# Altium PCB 小车PCB.PcbDoc (part 1 of 4) (continued)
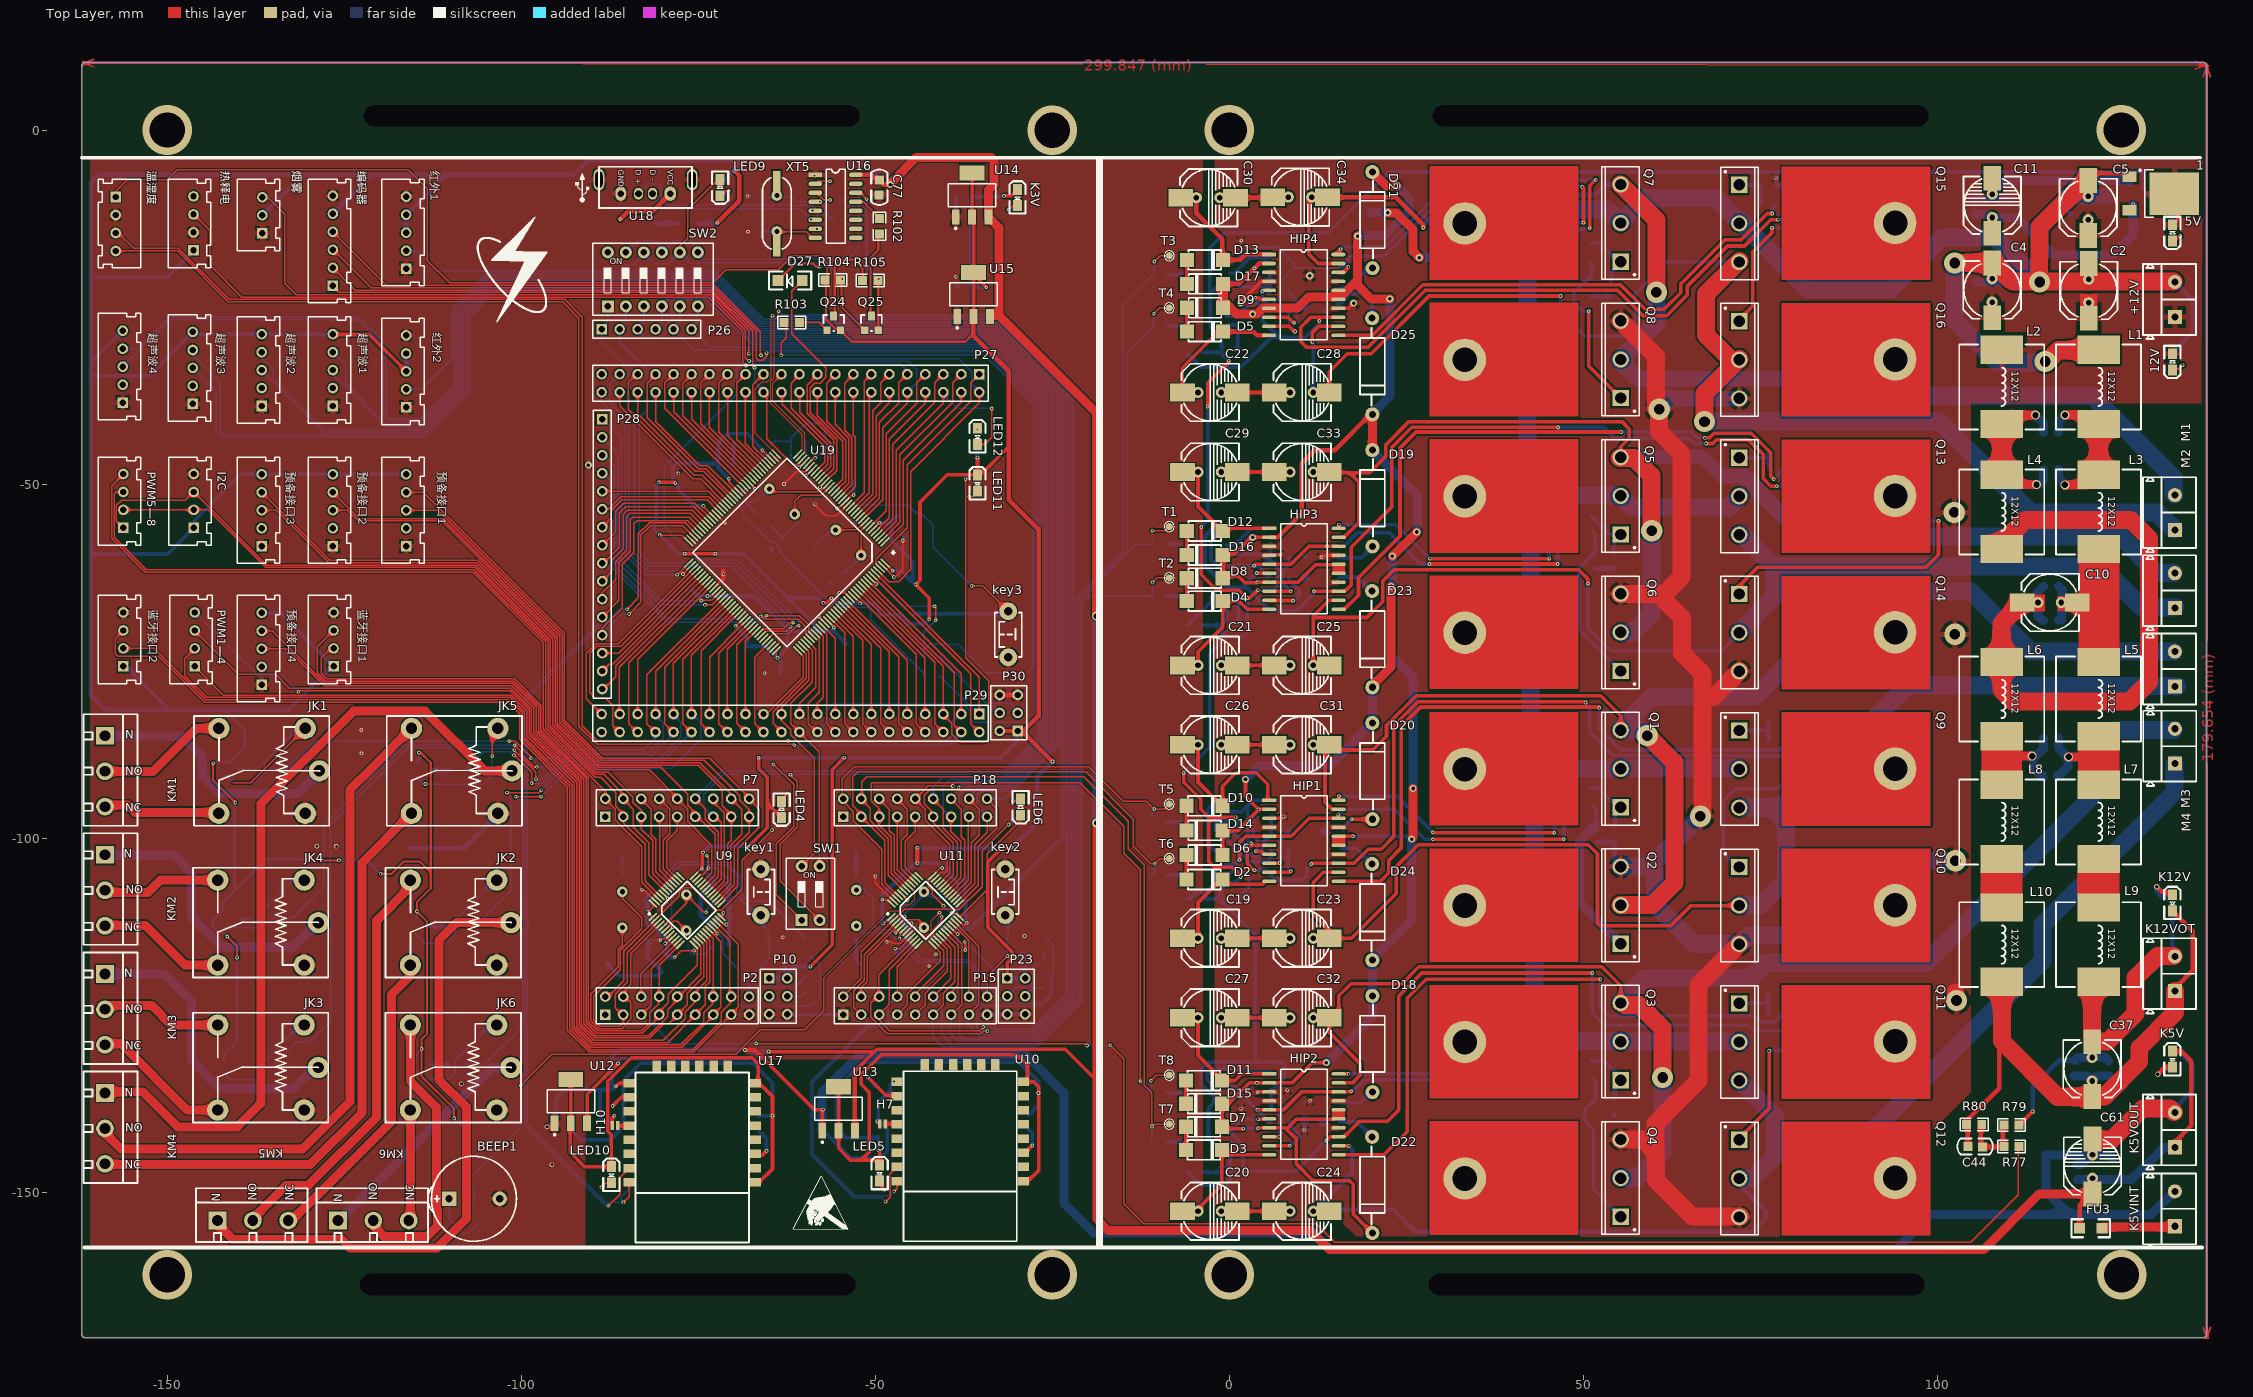
[diagram p0: Top Layer view]
## Components (designator, comment, footprint, x,y, rotation, side; value= is the part's Value field where it differs from the comment) (continued)
R73 "10R" 0805 83.007,-47.65 r180 bottom
R74 "10R" 0805 75.235,-10.465 r0 bottom
R75 "10R" 0805 82.017,-10.465 r180 bottom
R76 "500" 0805 -63.195,-94.869 r270 bottom
R77 "Res" 0805 109.372,-143.459 r0 top
R78 "10k" 0805 -64.77,-116.738 r0 bottom
R79 "" 0805 109.372,-140.462 r0 top
R80 "" 0805 104.098,-140.386 r0 top
R81 "1k" 0805 -28.524,-139.141 r270 bottom
R82 "10k" 0805 -59.715,-116.205 r90 bottom
R83 "10k" 0805 -59.715,-119.583 r270 bottom
R84 "1k" 0805 -49.606,-137.16 r90 bottom
R85 "4.7K" 0805 -48.971,-148.336 r0 bottom
R86 "500" 0805 -29.464,-94.412 r270 bottom
R87 "10k" 0805 -31.166,-116.484 r0 bottom
R88 "10k" 0805 -26.162,-115.799 r90 bottom
R89 "1K" 0805 -106.502,-147.345 r270 bottom
R90 "10k" 0805 -26.162,-119.075 r270 bottom
R91 "500R" 0805 -29.921,-8.56 r270 bottom
R92 "500R" 0805 133.172,-130.353 r270 bottom
R93 "1k" 0805 -135.585,-90.199 r180 bottom
R94 "1k" 0805 -108.458,-112.348 r180 bottom
R95 "1k" 0805 -135.484,-132.389 r180 bottom
R96 "1k" 0805 -135.661,-111.18 r180 bottom
R97 "1k" 0805 -108.229,-90.428 r180 bottom
R98 "1k" 0805 -108.356,-131.881 r180 bottom
R99 "4.7K" 0805 -71.882,-9.042 r90 bottom
R100 "300" 0805 -53.721,-9.779 r180 bottom
R101 "1k" 0805 -66.319,-139.37 r270 bottom
R102 "1K" 0805 -49.428,-12.421 r270 top
R103 "1K" 0805 -62.89,-27.127 r0 top
R104 "10K" 0805 -54.915,-21.107 r180 top
R105 "1K" 0805 -51.791,-21.158 r0 top
R106 "4.7K" 0805 -86.774,-148.52 r0 bottom
R107 "1k" 0805 -87.173,-135.484 r270 bottom
R108 "10k" 0805 -41.097,-74.244 r180 bottom
R109 "500" 0805 -35.585,-50.775 r90 bottom
R110 "10k" 0805 -43.002,-76.962 r0 bottom
R111 "10k" 0805 -44.602,-68.25 r180 bottom
R112 "10R" 0805 -64.795,-44.272 r270 bottom
R113 "1M" 0805 -66.331,-54.293 r315 bottom
R114 "500" 0805 -35.56,-42.316 r270 bottom
SW1 "CSW-2P" "CSW DIP-2P" -59.131,-107.696 r0 top
SW2 "CSW-6P" "CSW DIP-6P" -81.407,-21.006 r0 top
T1 "1 测试点" SIP1-1*1 -8.484,-55.931 r0 top
T2 "1 测试点" SIP1-1*1 -8.484,-63.17 r0 top
T3 "1 测试点" SIP1-1*1 -8.484,-17.678 r0 top
T4 "1 测试点" SIP1-1*1 -8.484,-25.044 r0 top
T5 "1 测试点" SIP1-1*1 -8.484,-95.123 r0 top
T6 "1 测试点" SIP1-1*1 -8.484,-102.819 r0 top
T7 "1 测试点" SIP1-1*1 -8.484,-140.31 r0 top
T8 "1 测试点" SIP1-1*1 -8.484,-133.401 r0 top
U1 "6N137" SOP-8 -3.454,-104.318 r90 bottom
U2 "6N137" SOP-8 -3.327,-96.825 r90 bottom
U3 "6N137" SOP-8 -3.454,-135.382 r90 bottom
U4 "6N137" SOP-8 -3.454,-142.113 r90 bottom
U5 "6N137" SOP-8 -3.302,-57.912 r90 bottom
U6 "6N137" SOP-8 -3.302,-65.151 r90 bottom
U7 "6N137" SOP-8 -3.302,-19.558 r90 bottom
U8 "6N137" SOP-8 -3.302,-26.848 r90 bottom
U9 "STM32F103C8" TQFP48 -76.606,-110.134 r45 top
U10 "ESP-12F" ESP-12F -30.021,-132.842 r180 top
U11 "STM32F103C8" TQFP48 -42.926,-110.134 r45 top
U12 "LM1117" SOT-223 -92.994,-137.093 r0 top
U13 "LM1117" SOT-223 -55.173,-138.135 r0 top
U14 "LM1117" SOT-223 -36.327,-9.103 r0 top
U15 "LM1117" SOT-223 -36.115,-23.149 r0 top
U16 "CH340G" SOP-16 -55.601,-10.693 r270 top
U17 "ESP-12F" ESP-12F -67.842,-133.02 r180 top
U18 "USB A" "USB A 母-立式" -82.465,-7.969 r180 top
U19 "STM32F103ZET6" TQFP144 -61.468,-61.62 r225 top
XT1 "32.768K" XTAL-T -85.75,-110.058 r270 bottom
XT2 "8MHZ" XTAL-T -76.657,-110.414 r90 bottom
XT3 "32.768K" XTAL-T -43.155,-110.058 r270 bottom
XT4 "8MHZ" XTAL-T -52.654,-109.753 r90 bottom
XT5 "12MHZ" XTAL-T -63.881,-11.735 r270 top
XT6 "32.768KHZ" XTAL-T -53.797,-58.166 r135 bottom
XT7 "8MHZ" XTAL-T -63.17,-52.426 r315 bottom
? "Comment" ICO1 -57.836,-152.324 r0 top
? "Comment" LOGO_Thunder -106.197,-12.065 r0 top
? "Comment" USB_LOGO -91.338,-8.255 r0 top

## Footprints (in the part's own frame and the unit in brackets; to place one, negate y for a bottom-side part, rotate by r counter-clockwise, add the part's x,y. Pads: shape width x height; smd on the part's side, far side on the other; paste and mask are expansions set on the pad)
2P [mil]
  rect 20x50 smd: 1(-15,1) 2(15,1)
5V蜂鸣器 [mil]
  rect 80x80 hole 40: 1(-138,0)
  round 80 hole 40: 2(143.59,0)
  silkscreen extent -256,-236 236,236, body extent -232,-236 240,237, height 339
12*12电感 [mm]
  rect 4x6 smd: 1(0.762,6) 2(11.238,5.994)
  silkscreen extent 0,0 12,12, body extent -0.36,-0.36 12.34,12.34, height 8.5
0805 [mil]
  rect 50x50 smd: 1(0,0) 2(85,0)
  silkscreen extent -35,-35 120,35, body extent 3,-25 81,25, height 22
0805C [mil]
  rect 50x50 smd: 1(0,-5) 2(82,-7)
  silkscreen extent -59,-50 139,40, body extent 2,-30 80,17, height 47
0805D [mil]
  rect 60x50 smd: 1(-45,0) 2(45,0)
  silkscreen extent -90,-45 90,45, body extent -43,-25 37,24, height 43
1206 [mil]
  rect 60x60 smd: 1(5,0) 2(130,0)
  silkscreen extent -40,-50 175,50
1206D [mil]
  rect 60x60 smd: 1(0,0) 2(135,0)
  silkscreen extent -50,-50 185,50
CD-8*8-2 [mil]
  rect 98.43x137.8 smd: 1(0,155) 2(0,-150)
  round 62 hole 31.5: 1(0,68) 2(0,-62)
  silkscreen extent -160,-160 160,160, body extent -163,-177 163,177, height 272
CD-8*8-无极性 [mil]
  rect 98.43x137.8 smd: 1(0,155) 2(0,-150)
  round 62 hole 31.5: 1(0,68) 2(0,-62)
  silkscreen extent -160,-160 160,160, body extent -157,-157 157,157, height 394
"CSW DIP-2P" [mm]
  rect 1.7x1.7 hole 0.9: 1(-1.27,-3.81)
  round 1.7 hole 0.9: 2(1.27,-3.81) 3(1.27,3.81) 4(-1.27,3.81)
  silkscreen extent -3.43,-5.08 3.43,4.95, body extent -3.32,-4.95 3.32,4.95, height 6.65
"CSW DIP-6P" [mm]
  rect 1.7x1.7 hole 0.9: 1(-6.35,-3.81)
  round 1.7 hole 0.9: 2(-3.81,-3.81) 3(-1.27,-3.81) 4(1.27,-3.81) 5(3.81,-3.81) 6(6.35,-3.81) 7(6.35,3.81) 8(3.81,3.81) 9(1.27,3.81) 10(-1.27,3.81) 11(-3.81,3.81) 12(-6.35,3.81)
  silkscreen extent -8.51,-5.08 8.51,5.08, body extent -8.4,-4.95 8.4,4.95, height 6.65
DO-15 [mm]
  round 2 hole 1: 1(1.676,0.076) 2(15.265,0.102)
  silkscreen extent 3.02,-1.65 14.05,1.85, body extent 1.24,-1.68 15.7,1.89, height 4.78
"DO-214-M7-  4007贴片" [mm]
  rect 2x2 smd: 1(2.413,0) 2(-2.667,0)
  silkscreen extent -2.41,-1.4 2.19,1.4, body extent -2.73,-1.33 2.47,1.27, height 2.53
ESP-12F [mm]
  rect 1.6x1.2 smd: 1(-0.9,15.5) 2(-0.9,13.5) 3(-0.9,11.5) 4(-0.9,9.5) 5(-0.9,7.5) 6(-0.9,5.5) 7(-0.9,3.5) 8(-0.9,1.5) 15(16.9,1.5) 16(16.9,3.5) 17(16.9,5.5) 18(16.9,7.5) 19(16.9,9.5) 20(16.9,11.5) 21(16.9,13.5) 22(16.9,15.5)
  rect 1.2x1.6 smd: 9(3,-0.9) 10(5,-0.9) 11(7,-0.9) 12(9,-0.9) 13(11,-0.9) 14(13,-0.9)
  silkscreen extent 0,0 16,24, body extent -1.4,-1.4 17.42,24.18, height 2.4
HDR1X6 [mm] "Connector; Header; 6 Po"
  rect 1.5x1.5 hole 0.9: 1(0,0)
  round 1.5 hole 0.9: 2(2.54,0) 3(5.08,0) 4(7.62,0) 5(10.16,0) 6(12.7,0)
  silkscreen extent -1.27,-1.27 13.97,1.27
HDR1X16 [mm] "Connector; Header; 16 Po"
  rect 1.5x1.5 hole 0.9: 1(0,0)
  round 1.5 hole 0.9: 2(2.54,0) 3(5.08,0) 4(7.62,0) 5(10.16,0) 6(12.7,0) 7(15.24,0) 8(17.78,0) 9(20.32,0) 10(22.86,0) 11(25.4,0) 12(27.94,0) 13(30.48,0) 14(33.02,0) 15(35.56,0) 16(38.1,0)
  silkscreen extent -1.27,-1.27 39.37,1.27
HDR2X3 [mm] "Connector; Header; 3x2 Po"
  rect 1.5x1.5 hole 0.9: 1(0,0)
  round 1.5 hole 0.9: 2(0,2.54) 3(2.54,0) 4(2.54,2.54) 5(5.08,0) 6(5.08,2.54)
  silkscreen extent -1.27,-1.27 6.35,3.81
HDR2X9 [mm] "Connector; Header; 9x2 Po"
  rect 1.5x1.5 hole 0.9: 1(0,0)
  round 1.5 hole 0.9: 2(0,2.54) 3(2.54,0) 4(2.54,2.54) 5(5.08,0) 6(5.08,2.54) 7(7.62,0) 8(7.62,2.54) 9(10.16,0) 10(10.16,2.54) 11(12.7,0) 12(12.7,2.54) 13(15.24,0) 14(15.24,2.54) 15(17.78,0) 16(17.78,2.54) 17(20.32,0) 18(20.32,2.54)
  silkscreen extent -1.27,-1.27 21.59,3.81
HDR2X22 [mm] "Connector; Header; 22x2 Po"
  rect 1.5x1.5 hole 0.9: 1(0,0)
  round 1.5 hole 0.9: 2(0,2.54) 3(2.54,0) 4(2.54,2.54) 5(5.08,0) 6(5.08,2.54) 7(7.62,0) 8(7.62,2.54) 9(10.16,0) 10(10.16,2.54) 11(12.7,0) 12(12.7,2.54) 13(15.24,0) 14(15.24,2.54) 15(17.78,0) 16(17.78,2.54) 17(20.32,0) 18(20.32,2.54) 19(22.86,0) 20(22.86,2.54) 21(25.4,0) 22(25.4,2.54) 23(27.94,0) 24(27.94,2.54) 25(30.48,0) 26(30.48,2.54) 27(33.02,0) 28(33.02,2.54) 29(35.56,0) 30(35.56,2.54) 31(38.1,0) 32(38.1,2.54) 33(40.64,0) 34(40.64,2.54) 35(43.18,0) 36(43.18,2.54) 37(45.72,0) 38(45.72,2.54) 39(48.26,0) 40(48.26,2.54) 41(50.8,0) 42(50.8,2.54) 43(53.34,0) 44(53.34,2.54)
  silkscreen extent -1.27,-1.27 54.61,3.81
ICO1 [mm]
  silkscreen extent -3.73,-2.84 3.96,4.65
KF301-3P [mm]
  rect 2.5x2.5 hole 1.5: 1(0,0)
  round 2.5 hole 1.5: 2(5,0) 3(10,0)
  silkscreen extent -3.05,-3.05 12.7,4.57, body extent -2.87,-3 12.63,4.6, height 10.05
KF301接线端子 [mm]
  rect 2x2 hole 1: 1(2.54,2.997)
  round 2 hole 1: 2(7.46,2.997)
  silkscreen extent -0.6,0 10.01,7.5, body extent -0.5,-0.08 10,7.62, height 10.51
LOGO_Thunder [mm]
  silkscreen extent 0,-14.94 9.91,-0.13
PZ_XH-2.54-3P [mm]
  rect 1.5x1.5 hole 0.9: 1(-2.54,0)
  round 1.5 hole 0.9: 2(0,0) 3(2.54,0)
  silkscreen extent -4.99,-2.45 5.06,3.55, body extent -5,-2.5 5,3.5, height 7.7
PZ_XH-2.54-4P [mm]
  rect 1.5x1.5 hole 0.9: 1(-2.54,0)
  round 1.5 hole 0.9: 2(0,0) 3(2.54,0) 4(5.08,0)
  silkscreen extent -5.02,-2.45 7.47,3.55, body extent -5.02,-2.45 7.5,3.55, height 7.7
PZ_XH-2.54-5P [mm]
  rect 1.5x1.5 hole 0.9: 1(0,0)
  round 1.5 hole 0.9: 2(2.54,0) 3(5.08,0) 4(7.607,0.006) 5(10.16,0)
  silkscreen extent -2.42,-2.55 12.6,3.45, body extent -2.44,-2.5 12.64,3.5, height 7.7
PZ_XH-2.54-6P [mm]
  rect 1.5x1.5 hole 0.9: 1(0,0)
  round 1.5 hole 0.9: 2(2.54,0) 3(5.08,0) 4(7.607,0.006) 5(10.16,0) 5(12.7,0)
  silkscreen extent -2.42,-2.55 15.01,3.45, body extent -2.41,-2.37 14.99,3.38, height 7.7
SIP1-1*1 [mm]
  round 1 smd: 1(0,0)
  silkscreen extent -0.7,-0.7 0.7,0.7
SOP-8 [mil]
  rect 24x76 smd: 1(-75,-112.5)
  oval 24x76 smd: 2(-25,-112.5) 3(25,-112.5) 4(75,-112.5) 5(75,112.5) 6(25,112.5) 7(-25,112.5) 8(-75,112.5)
  silkscreen extent -112,-118 105,53, body extent -95,-118 97,118, height 67
SOP-16 [mil]
  rect 24x76 smd: 1(-175,-112.5)
  oval 24x76 smd: 2(-125,-112.5) 3(-75,-112.5) 4(-25,-112.5) 5(25,-112.5) 6(75,-112.5) 7(125,-112.5) 8(175,-112.5) 9(175,112.5) 10(125,112.5) 11(75,112.5) 12(25,112.5) 13(-25,112.5) 14(-75,112.5) 15(-125,112.5) 16(-175,112.5)
  silkscreen extent -205,-52 205,53, body extent -197,-150 197,150, height 66
SOP-20.. [mm]
  rect 2x0.5 smd: 1(0,0)
  oval 2x0.5 smd: 2(0,-1.27) 3(0,-2.54) 4(0,-3.81) 5(0,-5.08) 6(0,-6.35) 7(0,-7.62) 8(0,-8.89) 9(0,-10.16) 10(0,-11.43) 11(9.8,-11.43) 12(9.8,-10.16) 13(9.8,-8.89) 14(9.8,-7.62) 15(9.8,-6.35) 16(9.8,-5.08) 17(9.8,-3.81) 18(9.8,-2.54) 19(9.8,-1.27) 20(9.8,0)
  silkscreen extent 1.58,-12.06 8.22,0.64, body extent -0.36,-12.22 10.27,0.78, height 2.66
SOT-23 [mil]
  rect 40x40 smd: 1(4.88,0.63) 2(79.88,0.63)
  rect 40x50 smd: 3(41.88,80.63)
  silkscreen extent -15,-4 100,86, body extent -15,-11 99,99, height 47
SOT-223 [mm]
  rect 1.1x2.15 smd: 1(-2.3,-3.1) 2(0,-3.1) 3(2.3,-3.1)
  rect 3.5x2.15 smd: 2(0,3.1)
  silkscreen extent -3.35,-4.85 3.35,1.63, body extent -3.23,-3.58 3.27,3.38, height 1.7
SRD-C_B [mm]
  round 3 hole 1.6: 1(0,0) 2(0,-12) 3(-2,-6) 4(12.2,0) 5(12.2,-12)
  silkscreen extent -3.4,-13.75 15.7,1.75, body extent -3.4,-13.75 15.7,1.75, height 15.6
"TO-247 - 贴" [mm] "SIP with Mounting Hole; 3 Leads; Body 20 x 15.6 x 5 mm (ty"
  rect 2.3x2.3 hole 1.6: 1(-5.45,0)
  round 2.3 hole 1.6: 2(0,0) 3(5.45,0)
  round 6 hole 3.5: 4(-0.051,22.022)
  Top Layer region: -8,6 8,6 8,27 -8,27
  Top Layer lines w0: 0,6.02 0,6
  Top Layer lines w0.127: 0.025,22.098 -0.051,22.022
  silkscreen extent -7.95,-2.6 7.95,2.7, body extent -8.08,-0.08 8.13,27.15, height 5.1
TO-252-2 [mm]
  rect 2x1.5 smd: 1(-3.764,2.407) 3(-3.759,-2.337)
  rect 7x6 smd: 2(2.55,0)
  silkscreen extent -2.41,-3.35 -0.35,3.43, body extent -4.11,-3.2 5.59,3.38, height 2.3
TQFP48 [mm]
  rect 1.6x0.3 smd: 1(-4.064,2.743) 2(-4.064,2.243) 3(-4.064,1.743) 4(-4.064,1.243) 5(-4.064,0.743) 6(-4.064,0.243) 7(-4.064,-0.257) 8(-4.064,-0.757) 9(-4.064,-1.257) 10(-4.064,-1.757) 11(-4.064,-2.257) 12(-4.064,-2.757) 25(4.136,-2.757) 26(4.136,-2.257) 27(4.136,-1.757) 28(4.136,-1.257) 29(4.136,-0.757) 30(4.136,-0.257) 31(4.136,0.243) 32(4.136,0.743) 33(4.136,1.243) 34(4.136,1.743) 35(4.136,2.243) 36(4.136,2.743)
  rect 0.3x1.6 smd: 13(-2.714,-4.107) 14(-2.214,-4.107) 15(-1.714,-4.107) 16(-1.214,-4.107) 17(-0.714,-4.107) 18(-0.214,-4.107) 19(0.286,-4.107) 20(0.786,-4.107) 21(1.286,-4.107) 22(1.786,-4.107) 23(2.286,-4.107) 24(2.786,-4.107) 37(2.786,4.093) 38(2.286,4.093) 39(1.786,4.093) 40(1.286,4.093) 41(0.786,4.093) 42(0.286,4.093) 43(-0.214,4.093) 44(-0.714,4.093) 45(-1.214,4.093) 46(-1.714,4.093) 47(-2.214,4.093) 48(-2.714,4.093)
  silkscreen extent -4.22,-2.91 2.94,3.53, body extent -4.48,-4.51 4.53,4.51, height 1.1
TQFP144 [mil]
  rect 70x10 smd: 1(-456.38,259.96)
  oval 70x10 smd: 2(-456.38,240.28) 3(-456.38,220.59) 4(-456.38,200.91) 5(-456.38,181.22) 6(-456.38,161.54) 7(-456.38,141.85) 8(-456.38,122.17) 9(-456.38,102.48) 10(-456.38,82.8) 11(-456.38,63.11) 12(-456.38,43.43) 13(-456.38,23.74) 14(-456.38,4.06) 15(-456.38,-15.63) 16(-456.38,-35.32) 17(-456.38,-55) 18(-456.38,-74.69) 19(-456.38,-94.37) 20(-456.38,-114.06) 21(-456.38,-133.74) 22(-456.38,-153.43) 23(-456.38,-173.11) 24(-456.38,-192.8) 25(-456.38,-212.48) 26(-456.38,-232.17) 27(-456.38,-251.85) 28(-456.38,-271.54) 29(-456.38,-291.22) 30(-456.38,-310.91) 31(-456.38,-330.59) 32(-456.38,-350.28) 33(-456.38,-369.96) 34(-456.38,-389.65) 35(-456.38,-409.33) 36(-456.38,-429.02) 73(398.27,-429.02) 74(398.27,-409.33) 75(398.27,-389.65) 76(398.27,-369.96) 77(398.27,-350.28) 78(398.27,-330.59) 79(398.27,-310.91) 80(398.27,-291.22) 81(398.27,-271.54) 82(398.27,-251.85) 83(398.27,-232.17) 84(398.27,-212.48) 85(398.27,-192.8) 86(398.27,-173.11) 87(398.27,-153.43) 88(398.27,-133.74) 89(398.27,-114.06) 90(398.27,-94.37) 91(398.27,-74.69) 92(398.27,-55) 93(398.27,-35.32) 94(398.27,-15.63) 95(398.27,4.06) 96(398.27,23.74) 97(398.27,43.43) 98(398.27,63.11) 99(398.27,82.8) 100(398.27,102.48) 101(398.27,122.17) 102(398.27,141.85) 103(398.27,161.54) 104(398.27,181.22) 105(398.27,200.91) 106(398.27,220.59) 107(398.27,240.28) 108(398.27,259.96)
  oval 10x70 smd: 37(-373.54,-511.85) 38(-353.86,-511.85) 39(-334.17,-511.85) 40(-314.49,-511.85) 41(-294.8,-511.85) 42(-275.12,-511.85) 43(-255.43,-511.85) 44(-235.75,-511.85) 45(-216.06,-511.85) 46(-196.38,-511.85) 47(-176.69,-511.85) 48(-157.01,-511.85) 49(-137.32,-511.85) 50(-117.64,-511.85) 51(-97.95,-511.85) 52(-78.27,-511.85) 53(-58.58,-511.85) 54(-38.9,-511.85) 55(-19.21,-511.85) 56(0.47,-511.85) 57(20.16,-511.85) 58(39.84,-511.85) 59(59.53,-511.85) 60(79.21,-511.85) 61(98.9,-511.85) 62(118.58,-511.85) 63(138.27,-511.85) 64(157.95,-511.85) 65(177.64,-511.85) 66(197.32,-511.85) 67(217.01,-511.85) 68(236.69,-511.85) 69(256.38,-511.85) 70(276.06,-511.85) 71(295.75,-511.85) 72(315.43,-511.85) 109(315.43,342.8) 110(295.75,342.8) 111(276.06,342.8) 112(256.38,342.8) 113(236.69,342.8) 114(217.01,342.8) 115(197.32,342.8) 116(177.64,342.8) 117(157.95,342.8) 118(138.27,342.8) 119(118.58,342.8) 120(98.9,342.8) 121(79.21,342.8) 122(59.53,342.8) 123(39.84,342.8) 124(20.16,342.8) 125(0.47,342.8) 126(-19.21,342.8) 127(-38.9,342.8) 128(-58.58,342.8) 129(-78.27,342.8) 130(-97.95,342.8) 131(-117.64,342.8) 132(-137.32,342.8) 133(-157.01,342.8) 134(-176.69,342.8) 135(-196.38,342.8) 136(-216.06,342.8) 137(-235.75,342.8) 138(-255.43,342.8) 139(-275.12,342.8) 140(-294.8,342.8) 141(-314.49,342.8) 142(-334.17,342.8) 143(-353.86,342.8) 144(-373.54,342.8)
  silkscreen extent -458,-455 341,345, body extent -463,-518 404,349, height 43
"USB A 母-立式" [mil]
  oval 65x80 hole 37: 1(-138.6,37.26)
  oval 50x65 hole 37: 2(-40,37.26) 3(38.5,37.26)
  oval 60x80 hole 37: 4(137,37.26)
  oval 59.06x118.11 hole 39.37 slot 90 at 90 deg: 5(-260,-40.74) 6(258,-40.74)
  silkscreen extent -260,-112 258,116, body extent -296,-136 297,140, height 610
USB_LOGO [mm]
  silkscreen extent -1.04,-1.7 0.84,2.14
XTAL-T [mil]
  rect 118.11x43.31 smd: 1(-179,-1) 2(178,-1)
  round 59.06 hole 28: 1(-101,-1) 2(99,-1)
  silkscreen extent -199,-81 197,79, body extent -224,-90 222,93, height 158
按键DIP-3*6*5 [mm]
  round 2.5 hole 1.2: 1(3.25,0) 2(-3.25,0)
  silkscreen extent -3.21,-1.9 3.09,1.9, body extent -3.91,-1.75 3.91,1.75, height 5.01

## Part data
C2 C4 C5 C10 C37: library part C
C11 C19 C20 C21 C22 C23 C24 C25 C26 C27 C28 C29 C30 C31 C32 C33 C34 C61: library part C+
JK1 JK2 JK3 JK4 JK5 JK6: library part SRD-05VDC-SL-C, "5V单路双控继电器"
JP1 JP2 JP3 JP4 JP5 JP6: library part "Header 3", "3P接插件"
P1 P8 P9 P11 P12: library part "Header 4H", "Header, 4-Pin, Right Angle"
P2 P7: library part "Header 9X2", "Header, 9-Pin, Dual row"
P3 P4 P5 P6 P13 P14 P16 P17 P20 P21: "Header, 5-Pin, Ri"
P10 P23 P30: "Header, 3-Pin, Dual row"
P15 P18: "Header, 9-Pin, Dual row"
P19: "Header, 4-Pin, Right Angle"
P22: "Header, 3-Pin, Ri"
P24: "Header, 6-Pin, Ri"
P26: "Header, 6-Pin"
P27 P29: "Header, 22-Pin, Dual row"
P28: "Header, 16-Pin"
SW1: "2路编码开关"
SW2: "6路编码开关"

## Free pads (board coordinates)
  rect 1.524x1.524 hole 3 slot 70 at 0 deg unplated: 3(-87.779,-162.96) 3(-87.227,2.076) 3(63.173,-162.96) 3(63.726,2.076)

## Via types
v1: diameter 0.508, hole 0.254, Top Layer to Bottom Layer, 302 vias
v2: diameter 1, hole 0.5, Top Layer to Bottom Layer, 18 vias
v3: diameter 3, hole 1.5, Top Layer to Bottom Layer, 14 vias
v4: diameter 7, hole 5, Top Layer to Bottom Layer, 8 vias
v5: diameter 1.27, hole 0.889, Top Layer to Bottom Layer, 6 vias
v6: diameter 0.635, hole 0.381, Top Layer to Bottom Layer, 5 vias
v7: diameter 0.762, hole 0.508, Top Layer to Bottom Layer, 2 vias
v8: diameter 1.27, hole 0.762, Top Layer to Bottom Layer, 2 vias
v9: diameter 1, hole 0.6, Top Layer to Bottom Layer, 1 vias

## Nets (pads, with @x,y where several pads share a name; then routed paths per layer and width w, separated by ;. In a path a pad name is that pad's centre, name@x,y a point inside that pad or via, vN(x,y) a via of type N, cw(c..) or ccw(c..) an arc to the next point about the centre after c; other vN are vias at no path point)
1BOOT0: R88.2 U11.44 | length 44.1
  Top Layer w0.203: U11.44@-45.999,-108.128 v1(-45.466,-108.661)
  Bottom Layer w0.203: v1(-45.466,-108.661) -45.466,-109.52 -46.33,-110.384 -46.33,-111.198 -45.212,-112.315 -45.212,-116.103 -43.866,-117.45 -37.033,-117.45 -35.484,-118.999 -35.484,-122.936 -34.798,-123.622 -26.518,-123.622 -24.968,-122.072 -24.968,-114.96 R88.2@-26.162,-113.767
1BOOT1: R90.1 U11.20 | length 25.2
  Top Layer w0.203: U11.20@-39.141,-112.878 -39.014,-112.878 -38.43,-113.462 v1(-38.379,-113.462)
  Bottom Layer w0.203: v1(-38.379,-113.462) -38.379,-114.986 -38.125,-115.24 -36.551,-115.24 -36.525,-115.265 ; -36.449,-115.291 -32.715,-119.024 -32.715,-122.288 -31.774,-123.229 -26.658,-123.229 -25.298,-121.869 -25.298,-118.948 R90.1@-26.162,-118.948
1ESPRXD: P15.8 U10.21 U11.12 | length 56
  Top Layer w0.203: v1(-48.539,-151.257) -47.904,-150.622 -47.904,-149.127 -47.95,-149.082 -47.95,-147.371 U10.21@-46.921,-146.342 ; P15.8@-46.914,-122.377 P15.8@-46.914,-122.301 -46.914,-118.059 U11.12@-44.272,-115.418
  Bottom Layer w0.203: v1(-48.539,-151.257) -49.073,-150.724 -53.01,-150.724 -59.131,-144.602 -59.131,-134.331 -51.048,-126.248 -48.6,-126.248 -48.184,-125.832 -48.184,-123.469 P15.8@-46.888,-122.174
1ESPTXD: P15.7 R85.2 U10.22 U11.13 | length 55.7
  Top Layer w0.203: v1(-47.346,-149.809) -46.921,-149.385 U10.22@-46.921,-148.342 ; P15.7@-46.914,-124.917 -45.466,-123.469 -45.466,-121.895 -40.792,-117.221 -40.792,-116.078 U11.13@-41.453,-115.418
  Bottom Layer w0.203: R85.2@-46.939,-148.336 -46.939,-149.403 v1(-47.346,-149.809) -47.981,-150.444 -48.885,-150.444 -48.936,-150.393 -52.873,-150.393 -58.801,-144.465 -58.801,-134.468 -50.911,-126.578 -48.463,-126.578 -47.854,-125.968 -47.854,-125.933 -46.888,-124.968 P15.7@-46.888,-124.917
1NRST: C58.1 key2.1 P15.18 R87.1 U11.7 | length 34.2
  Top Layer w0.203: U11.7@-45.199,-112.712 -45.618,-113.131 U11.7@-45.618,-113.19 -44.933,-112.504 -44.933,-112.497 ; U11.7@-45.187,-112.725 -44.882,-112.42 v1(-44.882,-111.963) ; P15.18@-34.214,-122.301 -34.214,-119.456 v1(-31.318,-116.561)
  Bottom Layer w0.203: v1(-44.882,-111.963) -44.882,-115.57 -44.094,-116.357 -43.332,-117.119 -36.896,-117.119 -34.382,-119.634 -34.382,-122.006 P15.18@-34.214,-122.174 ; key2.1@-31.725,-110.541 -31.217,-111.049 C58.1@-31.217,-113.767 ; R87.1@-31.293,-116.484 -31.293,-113.64 C58.1@-31.267,-113.614
1OSCIN: C53.2 U11.5 XT4.2 | length 14.3
  Top Layer w0.203: v1(-47.117,-113.284) -46.812,-112.979 U11.5@-46.812,-112.928
  Bottom Layer w0.203: XT4.2@-52.502,-106.528 -52.248,-106.528 -50.267,-108.509 -50.267,-112.236 -49.599,-112.903 -47.498,-112.903 v1(-47.117,-113.284)
  Bottom Layer w0.508: C53.2@-52.756,-101.829 -52.68,-101.905 XT4.2@-52.68,-105.232
1OSCOUT: C54.2 U11.6 XT4.1 | length 11.4
  Top Layer w0.203: v1(-46.558,-114.148) -46.558,-113.386 -46.431,-113.259 U11.6@-46.355,-113.259
  Bottom Layer w0.203: XT4.1@-52.68,-112.319 -51.74,-113.259 -48.089,-113.259 -47.2,-114.148 v1(-46.558,-114.148)
  Bottom Layer w0.508: XT4.1@-52.68,-114.3 -52.68,-117.297 C54.2@-52.349,-117.627
1PA0: P15.6 P20.2 U11.10 | length 231.6
  Top Layer w0.203: P15.6@-49.555,-122.072 -50.648,-123.165 -50.648,-125.222 -48.311,-127.559 -35.077,-127.559 -34.671,-127.152 v1(-34.163,-127.152) ; P15.6@-49.505,-122.326 -49.505,-119.202 U11.10@-44.933,-114.63
  Bottom Layer w0.203: P20.2@-116.332,-17.094 -114.579,-17.094 -111.887,-19.787 -72.593,-19.787 -65.735,-26.645 -32.582,-26.645 -22.733,-36.494 -22.733,-122.063 -27.924,-127.254 -34.061,-127.254 v1(-34.163,-127.152)
1PA1: P15.5 P21.2 U11.11 | length 238.3
  Top Layer w0.203: P15.5@-49.53,-125.044 -49.53,-125.527 -47.93,-127.127 -35.226,-127.127 -35.076,-126.976 ; P15.5@-49.505,-124.866 -48.057,-123.419 -48.057,-118.491 U11.11@-44.577,-115.011 ; -35.077,-126.975 -34.773,-126.67 v1(-34.773,-126.594)
  Bottom Layer w0.203: P21.2@-116.25,-36.551 -114.148,-36.551 -109.804,-32.207 -109.804,-25.121 -104.8,-20.117 -72.73,-20.117 -65.872,-26.975 -32.719,-26.975 -23.063,-36.631 -23.063,-121.926 -28.061,-126.924 -32.969,-126.924 -33.223,-126.67 -34.696,-126.67 v1(-34.773,-126.594)
1PA4: P15.10 P16.4 U11.14 | length 270.1
  Top Layer w0.152: U11.14@-41.588,-114.604 -41.588,-114.597 -42.109,-114.076 -42.109,-113.026 -42.113,-113.022 -42.113,-111.608 v1@-41.021,-110.515
  Top Layer w0.203: P15.10@-44.374,-122.301 -44.374,-121.996 -40.335,-117.958 -40.335,-115.849 U11.14@-41.072,-115.113
  Bottom Layer w0.127: v1(-40.928,-110.465) v1@-40.878,-110.414
  Bottom Layer w0.203: P16.4@-156.283,-30.81 -154.216,-30.81 -149.879,-26.473 ; -149.885,-26.467 -149.809,-26.391 -122.901,-26.391 -119.126,-30.165 -119.126,-40.071 -118.463,-40.735 -114.326,-40.735 -109.474,-35.882 -109.474,-25.306 -104.615,-20.447 -72.867,-20.447 -66.009,-27.305 -32.856,-27.305 -23.393,-36.767 -23.393,-99.781 -34.483,-110.871 -34.483,-110.912 -36.449,-112.878 -40.447,-112.878 -41.097,-112.227 -41.097,-110.668 v1@-40.919,-110.49
1PA5: P15.9 P16.3 U11.15 | length 270.3
  Top Layer w0.203: P15.9@-44.348,-124.866 -42.926,-123.444 -42.926,-121.793 -39.853,-118.72 -39.853,-115.621 U11.15@-40.767,-114.706 ; U11.15@-41.732,-113.792 -41.781,-113.743 -41.781,-112.85 -40.615,-111.684 v1(-40.615,-111.049)
  Bottom Layer w0.203: P16.3@-156.277,-33.337 -149.66,-26.721 -123.038,-26.721 -119.456,-30.302 -119.456,-40.208 -118.599,-41.065 -114.19,-41.065 -109.144,-36.019 -109.144,-25.443 -104.478,-20.777 -73.004,-20.777 -66.146,-27.635 -32.993,-27.635 -23.724,-36.904 -23.724,-99.644 -34.798,-110.719 -34.814,-110.719 -36.642,-112.547 -40.31,-112.547 -40.691,-112.166 v1@-40.691,-111.049
1PA6: P15.12 R8.1 T1.1 U11.16 | length 112.3
  Top Layer w0.203: P15.12@-41.834,-122.352 P15.12@-41.834,-122.301 -39.319,-119.786 -39.319,-115.443 U11.16@-40.589,-114.173 ; v1(-10.871,-56.49) -9.042,-56.49 T1.1@-8.484,-55.931
  Bottom Layer w0.203: P15.12@-41.783,-122.403 -40.64,-123.546 -40.64,-127.584 -39.268,-128.956 -27.239,-128.956 -21.082,-122.799 -21.082,-66.491 -14.402,-59.811 -14.402,-59.69 -13.157,-58.445 R8.1@-10.947,-58.445 ; R8.1@-10.871,-58.242 v1(-10.871,-56.49)
1PA7: P15.11 R9.1 T2.1 U11.17 | length 111.4
  Top Layer w0.203: P15.11@-41.834,-124.892 -40.386,-123.444 -40.386,-121.818 -38.76,-120.193 -38.76,-115.316 U11.17@-40.132,-113.944 ; v1(-10.846,-63.805) -10.211,-63.17 T2.1@-8.484,-63.17
  Bottom Layer w0.203: P15.11@-41.91,-124.993 -41.91,-128.016 -40.64,-129.286 -27.102,-129.286 -20.752,-122.936 -20.752,-66.628 -19.884,-65.761 R9.1@-10.947,-65.761 ; R9.1@-10.998,-65.938 -10.846,-65.786 v1(-10.846,-63.805)
1PA8: P18.14 U11.29 | length 15.1
  Top Layer w0.203: U11.29@-39.466,-107.745 -37.338,-105.617 -37.338,-100.228 -37.871,-99.695 -37.871,-95.809 P18.14@-39.319,-94.361
1PA9: P18.13 P26.4 SW2.4 U11.30 | length 146.4
  Top Layer w0.203: U11.30@-39.82,-107.391 -37.922,-105.494 -37.922,-100.355 -39.319,-98.958 P18.13@-39.319,-96.901
  Bottom Layer w0.203: P26.4@-81.026,-28.042 -81.026,-28.194 -80.137,-27.305 SW2.4@-80.137,-24.816 ; SW2.4@-80.01,-24.46 -78.638,-23.089 -74.082,-23.089 -67.224,-29.947 -33.95,-29.947 -26.035,-37.862 -26.035,-85.946 -31.348,-91.258 -31.348,-91.268 -31.672,-91.592 -39.395,-91.592 -40.411,-92.608 -40.411,-95.86 P18.13@-39.37,-96.901
1PA10: P18.12 P26.3 SW2.3 U11.31 | length 154.2
  Top Layer w0.203: P18.12@-41.859,-94.386 -40.411,-95.834 -40.411,-98.552 -38.43,-100.533 -38.43,-105.295 U11.31@-40.173,-107.038
  Bottom Layer w0.203: P26.3@-83.591,-28.042 -82.677,-27.127 SW2.3@-82.677,-24.816 ; P26.3@-83.566,-28.042 P26.3@-83.388,-28.219 ; P26.3@-83.515,-28.169 -82.423,-29.261 -80.239,-29.261 -79.578,-28.6 -79.578,-27.407 -78.715,-26.543 -78.715,-24.282 -78.156,-23.724 -73.914,-23.724 -67.361,-30.277 -34.087,-30.277 -26.365,-37.998 -26.365,-85.809 -31.678,-91.122 -31.678,-91.131 -31.809,-91.262 -40.462,-91.262 -41.859,-92.659 P18.12@-41.859,-94.209
1PA11: P14.4 P18.11 U11.32 | length 235.8
  Top Layer w0.203: P18.11@-41.961,-96.723 -42.139,-96.545 -42.139,-96.013 -43.078,-95.074 -43.078,-93.878 -42.24,-93.04 -38.456,-93.04 -38.227,-92.812 v1(-38.227,-92.761) ; P18.11@-41.834,-96.901 -41.834,-97.765 -38.989,-100.609 -38.989,-105.146 U11.32@-40.527,-106.684
  Bottom Layer w0.203: P14.4@-146.385,-30.988 -146.385,-31.644 -142.519,-35.509 -142.519,-42.367 -141.91,-42.977 -113.767,-42.977 -107.493,-36.703 -107.493,-26.127 -103.794,-22.428 -73.687,-22.428 -66.829,-29.286 -33.677,-29.286 -25.375,-37.588 -25.375,-86.219 -30.687,-91.532 -30.687,-91.542 -31.398,-92.253 -37.719,-92.253 v1(-38.227,-92.761)
1PA12: P14.3 P18.10 U11.33 | length 233.8
  Top Layer w0.203: P18.10@-44.374,-94.386 -42.926,-95.834 -42.926,-97.409 -39.446,-100.889 -39.446,-104.896 U11.33@-40.88,-106.331 ; P18.10@-44.094,-94.132 -42.52,-92.558 v1(-39.04,-92.558)
  Bottom Layer w0.203: P14.3@-146.379,-33.515 -143.078,-36.816 -143.078,-42.494 -142.265,-43.307 -113.589,-43.307 -107.163,-36.881 -107.163,-26.264 -103.657,-22.758 -73.824,-22.758 -66.966,-29.616 -33.813,-29.616 -25.705,-37.725 -25.705,-86.083 -31.017,-91.395 -31.017,-91.405 -31.535,-91.923 -38.735,-91.923 -39.04,-92.227 v1(-39.04,-92.558)
1PA15: P18.9 U11.38 | length 9.3
  Top Layer w0.203: U11.38@-44.679,-105.181 -45.771,-104.089 -45.771,-100.33 -44.374,-98.933 P18.9@-44.374,-96.926
1PB0: P15.14 R10.1 T3.1 U11.18 | length 145.7
  Top Layer w0.203: U11.18@-39.776,-113.589 -38.303,-115.062 -38.303,-120.726 -39.294,-121.717 P15.14@-39.294,-122.301 ; v1(-10.592,-18.491) -9.779,-17.678 T3.1@-8.484,-17.678
  Bottom Layer w0.203: P15.14@-39.141,-122.352 -38.1,-123.393 -38.1,-127.813 -37.617,-128.295 -27.512,-128.295 -21.742,-122.526 -21.742,-66.214 -21.666,-66.138 -21.662,-66.138 -15.062,-59.538 -15.062,-24.663 -10.592,-20.193 v1(-10.592,-18.491)
1PB1: P15.13 R11.1 T4.1 U11.19 | length 140.2
  Top Layer w0.203: U11.19@-39.421,-113.208 -37.821,-114.808 -37.821,-123.419 P15.13@-39.319,-124.917 ; v1(-10.693,-25.883) -9.855,-25.044 T4.1@-8.484,-25.044
  Bottom Layer w0.203: P15.13@-39.395,-124.968 -39.395,-127.508 -38.278,-128.626 -27.375,-128.626 -21.412,-122.662 -21.412,-66.355 -14.732,-59.674 -14.732,-59.547 -14.478,-59.293 -14.478,-31.521 -10.82,-27.864 R11.1@-10.82,-27.559 ; R11.1@-10.693,-27.559 v1(-10.693,-25.883)
1PB3: P18.8 U11.39 | length 12.7
  Top Layer w0.203: P18.8@-46.914,-94.386 -45.466,-95.834 -45.466,-99.39 -46.304,-100.228 -46.304,-104.267 U11.39@-44.983,-105.588
1PB4: P18.7 U11.40 | length 9.9
  Top Layer w0.203: P18.7@-46.914,-96.926 -46.914,-104.369 U11.40@-45.187,-106.096
1PB5: P18.6 R89.1 U11.41 | length 99.5
  Top Layer w0.127: -57.277,-119.609 -47.854,-110.185 -46.685,-110.185 -45.796,-109.296 -45.11,-109.296 -44.399,-108.585 -44.399,-107.467 U11.41@-44.856,-107.01
  Top Layer w0.203: v1(-100.051,-134.849) -95.656,-130.454 -69.723,-130.454 -66.243,-126.975 -59.944,-126.975 -57.277,-124.308 -57.277,-119.609 ; P18.6@-49.454,-94.386 -48.006,-95.834 -48.006,-98.857 -47.346,-99.517 -47.346,-104.673 U11.41@-45.771,-106.248
  Bottom Layer w0.203: R89.1@-106.502,-147.218 -100.051,-140.767 v1(-100.051,-134.849)
1PB6: P18.5 R6.1 T8.1 U11.42 | length 97.9
  Top Layer w0.203: -49.53,-95.656 -49.847,-95.34 -49.859,-95.34 -50.559,-94.64 -50.559,-92.215 -50.419,-92.075 -21.107,-92.075 -14.935,-98.247 -14.935,-102.057 -12.573,-104.419 v1(-12.573,-134.264) ; P18.5@-49.479,-96.698 -49.479,-95.72 ; P18.5@-49.454,-96.901 -49.454,-98.095 -47.752,-99.797 -47.752,-104.877 U11.42@-46.101,-106.528 ; v1(-11.074,-134.188) -10.287,-133.401 T8.1@-8.484,-133.401
  Bottom Layer w0.203: v1(-12.573,-134.264) R6.1@-10.947,-135.89 ; v1(-11.074,-134.188) -11.074,-135.56 R6.1@-10.947,-135.687
1PB7: P18.4 R7.1 T7.1 U11.43 | length 106.5
  Top Layer w0.203: P18.4@-51.994,-94.412 -50.724,-95.682 -50.724,-97.485 -48.184,-100.025 -48.184,-105.181 U11.43@-46.431,-106.934 ; P18.4@-51.892,-94.005 -51.892,-91.973 -51.181,-91.262 -20.574,-91.262 -14.275,-97.561 -14.275,-101.422 -11.989,-103.708 -11.989,-134.798 -10.922,-135.865 v1(-10.922,-140.64) -10.592,-140.31 T7.1@-8.484,-140.31
  Bottom Layer w0.203: R7.1@-10.998,-142.723 -10.922,-142.646 v1(-10.922,-140.64)
1PB8: P18.3 R4.1 T6.1 U11.45 | length 74
  Top Layer w0.203: P18.3@-51.994,-96.901 -48.641,-100.254 -48.641,-106.197 U11.45@-47.168,-107.671 ; P18.3@-51.689,-96.368 -52.146,-96.368 -53.162,-95.352 -53.162,-91.288 -52.451,-90.576 -20.193,-90.576 -13.538,-97.231 -13.538,-101.092 ; -13.564,-101.067 -13.538,-101.092 ; T6.1@-8.484,-102.819 -9.804,-102.819 v1(-10.541,-103.556) -11.074,-103.556 -13.538,-101.092
  Bottom Layer w0.203: -11.43,-105.156 R4.1@-11.049,-105.156 ; R4.1@-10.897,-105.156 R4.1@-11.049,-105.156 ; v1(-10.541,-103.556) -10.541,-104.648 R4.1@-11.049,-105.156